# Altium PCB DC_DC_Buck_Controlled_PCB.PcbDoc (part 1 of 2) (continued)
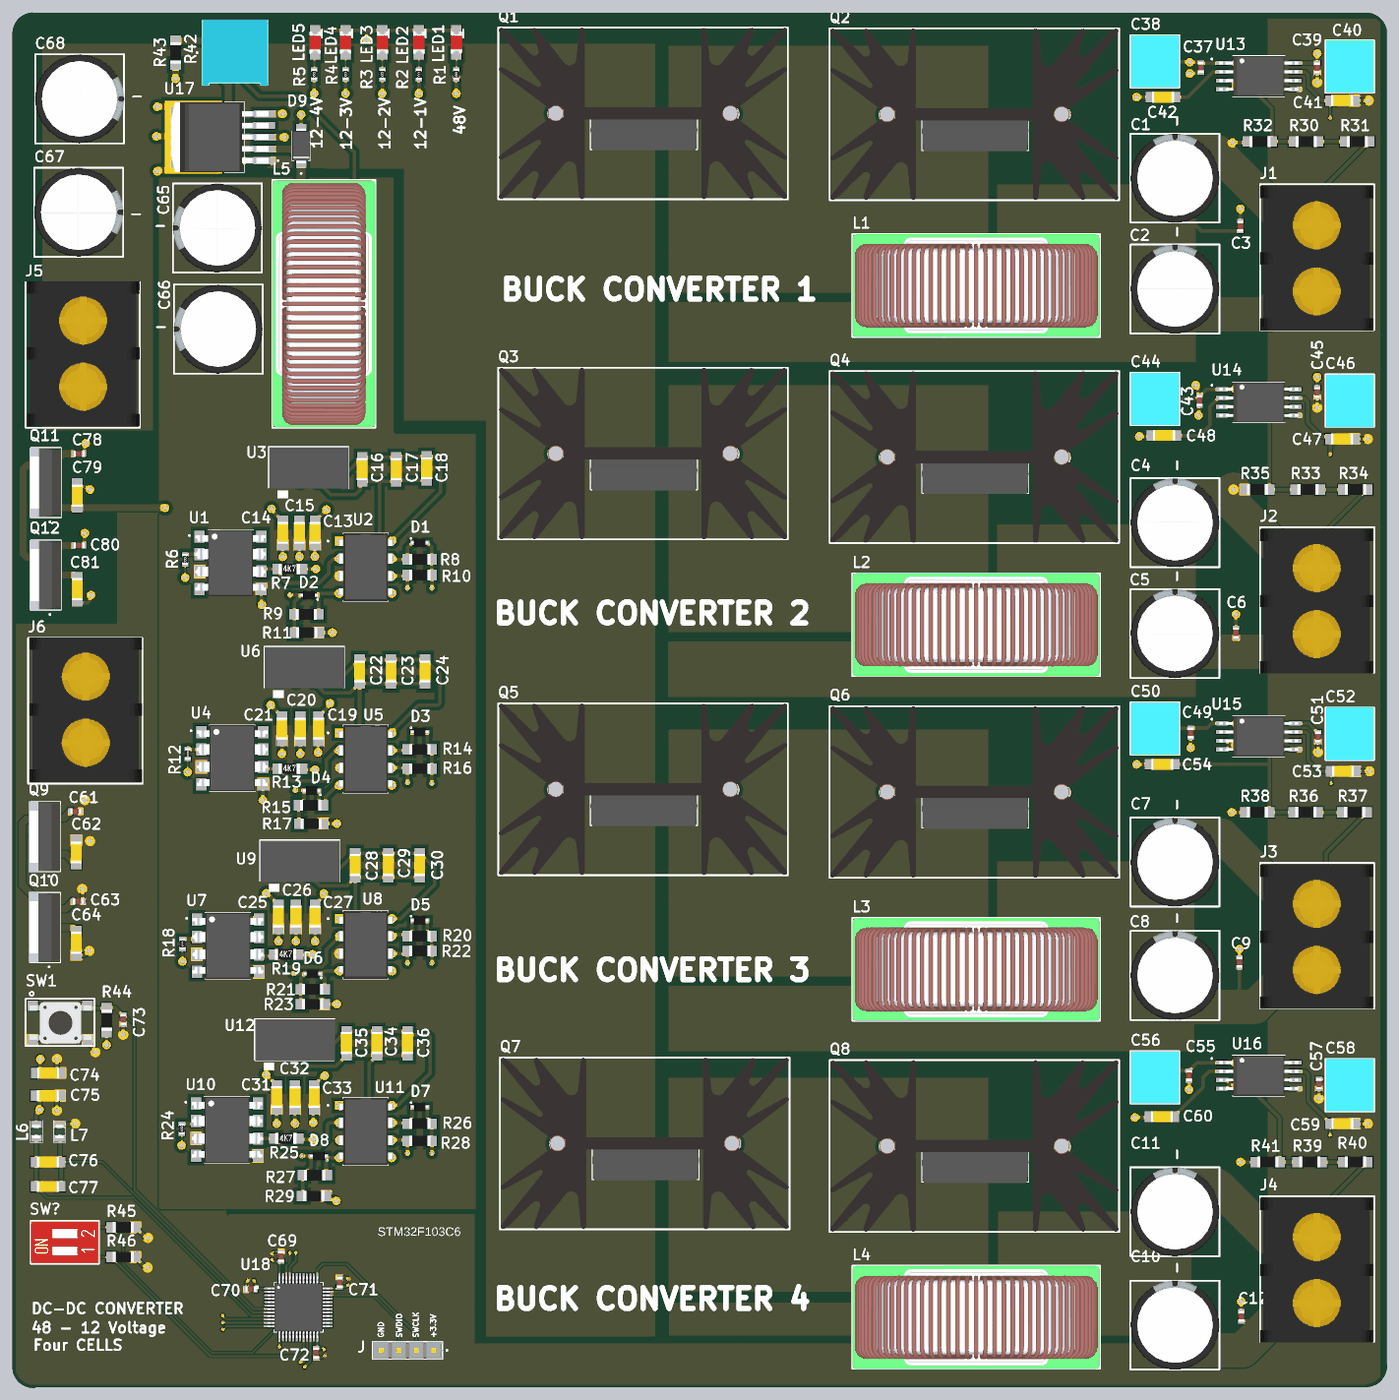
[diagram p5: 3D render of the assembled board from above, using the file's embedded part models]

## Layer stack, top to bottom
Top Solder: solder mask 0.4, Solder Resist, Dk 3.5
Top Layer: signal copper 1.4
Dielectric 2: prepreg 2.8, PP-006, Dk 4.1
Power: signal copper 1.378
Dielectric 1: dielectric 12.6, FR-4, Dk 4.8
GND: signal copper 1.378
Dielectric 3: prepreg 2.8, PP-006, Dk 4.1
Bottom Layer: signal copper 1.4
Bottom Solder: solder mask 0.4, Solder Resist, Dk 3.5

## Board outline
0,104.57 ccw(c120,115) 130.43,-5 ccw(c130,0) 135.01,-0.02 7770,-0.02 7770.51,0.01 ccw(c7760,120) 7880.45,120 ccw(c7760,120) 7879.85,131.99 7879.03,134.28 7879.03,7766.21 7879.69,7769.16 ccw(c7759.69,7758.73) 7750.76,7878.85 7749.4,7879.03 113.42,7879.03 110,7880 ccw(c120.43,7760) 0.42,7749.78

## Design rules (kind name [scope] priority, off if disabled: settings)
Clearance [All] p1: gap=5 ignorepadtopadclearanceinfootprint=FALSE
PolygonConnect PolygonConnect_2 [All] p1: connectstyle=Direct reliefconductorwidth=10 reliefentries=4 polygonreliefangle="90 Angle" airgapwidth=10
PolygonConnect PolygonConnect_1 [All vs IsNamedPolygon('12V_1_L01_P048') Or IsNamedPolygon('12V_2_L01_P049') Or IsNamedPolygon('12V_3_L01_P050') Or IsNamedPolygon('12V_4_L01_P051') Or IsNamedPolygon('+48_L01_P045') Or IsNamedPolygon('GND_L01_P002') Or IsNamedPolygon('V1-_L01_P026') Or IsNamedPolygon('V2-_L01_P033') Or IsNamedPolygon('V3-_L01_P037') Or IsNamedPolygon('V4-_L01_P039') Or IsNamedPolygon('+3.3_C_L02_P004') Or IsNamedPolygon('+3.3_L02_P056') Or IsNamedPolygon('+12_ISO_L02_P007') Or IsNamedPolygon('12V_1_L02_P052') Or IsNamedPolygon('12V_2_L02_P053') Or IsNamedPolygon('12V_3_L02_P054') Or IsNamedPolygon('12V_4_L02_P055') Or IsNamedPolygon('+15_L02_P046') Or IsNamedPolygon('+48_L02_P009') Or IsNamedPolygon('V1-_L02_P014') Or IsNamedPolygon('V2-_L02_P032') Or IsNamedPolygon('V3-_L02_P036') Or IsNamedPolygon('V4-_L02_P038') Or IsNamedPolygon('GND_C_L01_P044') Or IsNamedPolygon('GND_L01_P043') Or IsNamedPolygon('GND_C_L04_P042') Or IsNamedPolygon('GND_L04_P001')] p2: thpad.connectstyle=Direct thpad.reliefconductorwidth=10 thpad.reliefentries=4 thpad.polygonreliefangle="90 Angle" thpad.airgapwidth=10 smdpad.connectstyle=Relief smdpad.reliefconductorwidth=10 smdpad.reliefentries=4 smdpad.polygonreliefangle="90 Angle" smdpad.airgapwidth=10 via.connectstyle=Direct via.reliefconductorwidth=10 via.reliefentries=4 via.polygonreliefangle="90 Angle" via.airgapwidth=10
PolygonConnect [All] p3: connectstyle=Relief reliefconductorwidth=10 reliefentries=4 polygonreliefangle="90 Angle" airgapwidth=10
RoutingVias [All] p1: holewidth=28 width=50 viastyle="Through Hole" minholewidth=28 minwidth=50 maxholewidth=28 maxwidth=50
SolderMaskExpansion [All] p1: expansion=4 istentingtop=FALSE
UnpouredPolygon [All] p1: allowunpoured=TRUE allowshelved=TRUE
Width [All] p1: maxlimit=196.85 minlimit=10 preferedwidth=39.37 minimp=50.000000 maximp=50.000000 favimp=50.000000
29 further rules are at their usual default settings.

## Classes and differential pairs
component class STM_Controller: C69 C70 C71 C72 C73 C74 C75 C76 C77 J L6 L7 R44 R45 R46 SW1 SW? U18
component class Power_Supply: C61 C62 C63 C64 C65 C66 C67 C68 C78 C79 C80 C81 D9 J6 L5 Q9 Q10 Q11 Q12 R42 R43 U17
component class Power_Circuit: C1 C2 C3 C4 C5 C6 C7 C8 C9 C10 C11 C12 J1 J3 J4 J5 L1 L2 L3 L4 LED1 LED2 LED3 LED4 LED5 Q1 Q2 Q3 Q4 Q5 Q6 Q7 Q8 R1 R2 R3 R4 R5
component class Isolated_Voltage_Sensor: C37 C38 C39 C40 C41 C42 C43 C44 C45 C46 C47 C48 C49 C50 C51 C52 C53 C54 C55 C56 C57 C58 C59 C60 R30 R31 R32 R33 R34 R35 R36 R37 R38 R39 R40 R41 U13 U14 U15 U16
component class Gate_Drive: C13 C14 C15 C16 C17 C18 C19 C20 C21 C22 C23 C24 C25 C26 C27 C28 C29 C30 C31 C32 C33 C34 C35 C36 D1 D2 D3 D4 D5 D6 D7 D8 R6 R7 R8 R9 R10 R11 R12 R13 R14 R15 R16 R17 R18 R19 R20 R21 R22 R23 R24 R25 R26 R27 R28 R29 U1 U2 U3 U4 U5 U6 U7 U8 U9 U10 U11 U12

## Components (designator, comment, footprint, x,y, rotation, side; value= is the part's Value field where it differs from the comment)
C1 "330uf/100V" "CAPACITOR 330UF" 6660,6785 r90 top
C2 "330uf/100V" "CAPACITOR 330UF" 6660,6149.72 r90 top
C3 "C0603" C0603 7040,6655 r270 top
C4 "330uf/100V" "CAPACITOR 330UF" 6660,4810 r90 top
C5 "330uf/100V" "CAPACITOR 330UF" 6660,4174.72 r90 top
C6 "330uf/100V" C0603 7015,4323 r270 top
C7 "330uf/100V" "CAPACITOR 330UF" 6660,2865 r90 top
C8 "330uf/100V" "CAPACITOR 330UF" 6660,2214.72 r90 top
C9 "C0603" C0603 7035,2435 r270 top
C10 "330uf/100V" "CAPACITOR 330UF" 6660,210 r90 top
C11 "330uf/100V" "CAPACITOR 330UF" 6660,860 r90 top
C12 "C0603" C0603 7045,405 r270 top
C13 "10uf" C1206 1735,4827.2 r90 top
C14 "220nf" C1206 1550,4827.2 r90 top
C15 "2.2uf" C1206 1645,4827.2 r90 top
C16 "2.2uf" C1206 2005,5192.2 r90 top
C17 "10uf" C1206 2200,5192.2 r90 top
C18 "220nf" C1206 2375,5197.2 r90 top
C19 "10uf" C1206 1755,3705 r90 top
C20 "220nf" C1206 1650,3705 r90 top
C21 "2.2uf" C1206 1545,3705 r90 top
C22 "2.2uf" C1206 1990,4032.2 r90 top
C23 "10uf" C1206 2170,4032.2 r90 top
C24 "220nf" C1206 2365,4032.2 r90 top
C25 "10uf" C1206 1525,2627.2 r90 top
C26 "220nf" C1206 1625,2627.2 r90 top
C27 "2.2uf" C1206 1735,2627.2 r90 top
C28 "2.2uf" C1206 1965,2922.2 r90 top
C29 "10uf" C1206 2155,2922.2 r90 top
C30 "220nf" C1206 2335,2922.2 r90 top
C31 "10uf" C1206 1515,1592.2 r90 top
C32 "220nf" C1206 1620,1592.2 r90 top
C33 "2.2uf" C1206 1730,1592.2 r90 top
C34 "2.2uf" C1206 2090,1902.2 r90 top
C35 "10uf" C1206 1915,1902.2 r90 top
C36 "220nf" C1206 2265,1902.2 r90 top
C37 "100nf/50V" C0603 6815,7565 r90 top
C38 "1uf/60v" "Film Polyester Capacitor 5mm pitch" 6450,7600 r0 top
C39 "100nf/50V" C0603 7480,7563 r90 top
C40 "1uf/60v" "Film Polyester Capacitor 5mm pitch" 7766.85,7570 r180 top
C41 "330pf/50V" C1206 7692.8,7375 r180 top
C42 "100pf/50V" C1206 6527.2,7395 r0 top
C43 "100nf/50V" C0603 6805,5655 r90 top
C44 "1uf/60v" "Film Polyester Capacitor 5mm pitch" 6450,5665 r0 top
C45 "100nf/50V" C0603 7480,5702 r90 top
C46 "1uf/60v" "Film Polyester Capacitor 5mm pitch" 7566.85,5655 r0 top
C47 "330pf/50V" C1206 7692.8,5435 r180 top
C48 "100pf/50V" C1206 6532.2,5455 r0 top
C49 "100nf/50V" C0603 6755,3750 r90 top
C50 "1uf/60v" "Film Polyester Capacitor 5mm pitch" 6450,3775 r0 top
C51 "100nf/50V" C0603 7485,3727 r90 top
C52 "1uf/60v" "Film Polyester Capacitor 5mm pitch" 7766.85,3745 r180 top
C53 "330pf/50V" C1206 7697.8,3530 r180 top
C54 "100pf/50V" C1206 6522.2,3570 r0 top
C55 "100nf/50V" C0603 6745,1785 r90 top
C56 "1uf/60v" "Film Polyester Capacitor 5mm pitch" 6450,1775 r0 top
C57 "100nf/50V" C0603 7490,1738 r90 top
C58 "1uf/60v" "Film Polyester Capacitor 5mm pitch" 7766.85,1730 r180 top
C59 "330pf/50V" C1206 7695,1510 r180 top
C60 "100pf/50V" C1206 6520,1550 r0 top
C61 "100nF/50V" C0603 362,3300 r180 top
C62 "330nF/50V" C1206 366,3135 r270 top
C63 "100nF/50V" C0603 377,2785 r180 top
C64 "10uF 25V" C1206 366,2477.2 r90 top
C65 "330uF/100V" "CAPACITOR 330UF" 1320.28,6640 r180 top
C66 "330uF/100V" "CAPACITOR 330UF" 1325.28,6060 r180 top
C67 "330uF/100V" "CAPACITOR 330UF" 235,6740 r0 top
C68 "330uF/100V" "CAPACITOR 330UF" 240,7390 r0 top
C69 "100nF/50V" C0603 1540,748 r270 top
C70 "100nF/50V" C0603 1366.19,561.19 r0 top
C71 "100nF/50V" C0603 1875,600 r270 top
C72 "100nF/50V" C0603 1740,195 r90 top
C73 "100nf" C0603 635,2107 r90 top
C74 "1uF/50V" C1206 275,1800 r180 top
C75 "10nF/50V" C1206 272.8,1670 r180 top
C76 "10nF/50V" C1206 272.8,1290 r180 top
C77 "1uF/50V" C1206 272.8,1150 r180 top
C78 "100nF/50V" C0603 382,5350 r180 top
C79 "330nF/50V" C1206 371,5180 r270 top
C80 "100nF/50V" C0603 382,4825 r180 top
C81 "10uF 25V" C1206 371,4505 r90 top
D1 "1N4148WS" SOD323 2335,4840 r0 top
D2 "1N4148WS" SOD323 1700,4540 r180 top
D3 "1N4148WS" SOD323 2335,3755 r0 top
D4 "1N4148WS" SOD323 1715,3420 r180 top
D5 "1N4148WS" SOD323 2335,2675 r0 top
D6 "1N4148WS" SOD323 1720,2370 r180 top
D7 "1N4148WS" SOD323 2335,1605 r0 top
D8 "1N4148WS" SOD323 1755,1325 r180 top
D9 "RS1D" DIOM4330X250N 1655,7115 r90 top
J "Pinheaders 4 pins" SAMTEC_TSW-104-24-G-S 2415,210 r180 top
J1 "Terminals" "Barrier Terminal Block 2 Pin" 7326.85,6285 r90 top
J2 "Terminals" "Barrier Terminal Block 2 Pin" 7326.85,4320 r90 top
J3 "Terminals" "Barrier Terminal Block 2 Pin" 7326.85,2395 r90 top
J4 "Terminals" "Barrier Terminal Block 2 Pin" 7326.85,485 r90 top
J5 "Terminals" "Barrier Terminal Block 2 Pin" 555,6110 r270 top
J6 "Terminals" "Barrier Terminal Block 2 Pin" 570,4069.02 r270 top
L1 "Custmized Power Inductor" "Power Inductor" 5515,6330 r0 top
L2 "Custmized Power Inductor" "Power Inductor" 5515,4385 r0 top
L3 "Custmized Power Inductor" "Power Inductor" 5515,2410 r0 top
L4 "Custmized Power Inductor" "Power Inductor" 5515,415 r0 top
L5 "Custmized Power Inductor" "Power Inductor" 1770,6200 r90 top
L6 "10uH" "inductor 0805" 136.98,1505 r270 top
L7 "10uH" "inductor 0805" 270,1505 r270 top
LED1 "LED 1206" "LED 1206" 2545,7777.8 r270 top
LED2 "LED 1206" "LED 1206" 2330,7777.8 r270 top
LED3 "LED 1206" "LED 1206" 2120,7777.8 r270 top
LED4 "LED 1206" "LED 1206" 1910,7777.8 r270 top
LED5 "LED 1206" "LED 1206" 1735,7777.8 r270 top
Q1 "IRFP150N" TO-247AC 3620.04,7188.96 r0 top
Q2 "IRFP150N" TO-247AC 5520,7183.96 r0 top
Q3 "IRFP150N" TO-247AC 3620.04,5238.96 r0 top
Q4 "IRFP150N" TO-247AC 5520,5218.96 r0 top
Q5 "IRFP150N" TO-247AC 3620.04,3313.96 r0 top
Q6 "IRFP150N" TO-247AC 5520,3298.96 r0 top
Q7 "IRFP150N" TO-247AC 3629.96,1283.96 r0 top
Q8 "IRFP150N" TO-247AC 5520,1268.96 r0 top
Q9 "7805" TO-220 210,3155.39 r90 top
Q10 "LD1117AV33" TO-220 210,2634.61 r90 top
Q11 "7805" TO-220 215,5185 r90 top
Q12 "LD1117AV33" TO-220 215,4655 r90 top
R1 "3K3" R0603 2545,7525 r270 top
R2 "1K" R0603 2330,7525 r270 top
R3 "1K" R0603 2120,7525 r270 top
R4 "1K" R0603 1910,7525 r270 top
R5 "1K" R0603 1730,7525 r270 top
R6 "330" R0603 990,4745 r90 top
R7 "4K7" R1206_4K7 1522.2,4690 r0 top
R8 "22" R1206 2266.1,4745 r0 top
R9 "22" R1206 1755,4430 r180 top
R10 "10K" R1206 2266.1,4655 r0 top
R11 "10K" R1206 1757.8,4325 r180 top
R12 "330" R0603 1005,3630 r90 top
R13 "4K7" R1206_4K7 1522.2,3545 r0 top
R14 "22" R1206 2266.1,3655 r0 top
R15 "22" R1206 1780,3335 r180 top
R16 "10K" R1206 2266.1,3545 r0 top
R17 "10K" R1206 1782.8,3230 r180 top
R18 "330" R0603 975,2540 r90 top
R19 "4K7" R1206_4K7 1500,2480 r0 top
R20 "22" R1206 2266.1,2585 r0 top
R21 "22" R1206 1790,2280 r180 top
R22 "10K" R1206 2266.1,2500 r0 top
R23 "10K" R1206 1790,2195 r180 top
R24 "330" R0603 970,1480 r90 top
R25 "4K7" R1206_4K7 1502.2,1425 r0 top
R26 "22" R1206 2266.1,1510 r0 top
R27 "22" R1206 1802.8,1215 r180 top
R28 "10K" R1206 2266.1,1410 r0 top
R29 "10K" R1206 1797.8,1095 r180 top
R30 "300K/1%" R1206 7347.2,7140 r0 top
R31 "300K/1%" R1206 7640.06,7140 r0 top
R32 "10K/1%" R1206 7082.2,7140 r0 top
R33 "300K/1%" R1206 7357.2,5145 r0 top
R34 "300K/1%" R1206 7630,5145 r0 top
R35 "10K/1%" R1206 7067.2,5145 r0 top
R36 "300K/1%" R1206 7345,3295 r0 top
R37 "300K/1%" R1206 7625.06,3295 r0 top
R38 "10K/1%" R1206 7067.2,3295 r0 top
R39 "300K/1%" R1206 7367.2,1290 r0 top
R40 "300K/1%" R1206 7630.06,1290 r0 top
R41 "10K/1%" R1206 7127.2,1290 r0 top
R42 "3386P-1-101T" TRIM_3386P-1-101T 1275,7650 r0 top
R43 "Res 1206" R1206 935,7717.8 r270 top
R44 "Res 1206" R1206 540,2172.8 r270 top
R45 "10K" R1206 705,915 r180 top
R46 "10K" R1206 705,745 r180 top
SW1 "Momentary Tactile Tact Push Button Switch 4 Pin" "Momentary Tactile Tact Push Button" 115.71,1990 r0 top
SW? "418117170902" DIP_SW_2P 300,830 r90 top
U1 "6N136" "8-Pin DIP â€“ Land Pattern" 1250,4725 r0 top
U2 "IR2111" "8-Lead PDIP" 2025,4700 r0 top
U3 "B1515S" B1515S 1700,5300 r0 top
U4 "6N136" "8-Pin DIP â€“ Land Pattern" 1260,3605 r0 top
U5 "IR2111" "8-Lead PDIP" 2025,3600 r0 top
U6 "B1515S" B1515S 1675,4155 r0 top
U7 "6N136" "8-Pin DIP â€“ Land Pattern" 1235,2530 r0 top
U8 "IR2111" "8-Lead PDIP" 2025,2535 r0 top
U9 "B1515S" B1515S 1650,3045 r0 top
U10 "6N136" "8-Pin DIP â€“ Land Pattern" 1230,1475 r0 top
U11 "IR2111" "8-Lead PDIP" 2025,1465 r0 top
U12 "B1515S" B1515S 1620,2020 r0 top
U13 "AMC1311" "SOIC - 2.8 mm max height" 7145,7515 r0 top
U14 "AMC1311" "SOIC - 2.8 mm max height" 7145.16,5645 r0 top
U15 "AMC1311" "SOIC - 2.8 mm max height" 7145,3730 r0 top
U16 "AMC1311" "SOIC - 2.8 mm max height" 7145,1785 r0 top
U17 "LM2596HVS" TO263 1190,7165 r180 top
U18 "STM32F103C8T6" QFP50P900X900X160-48N 1639.57,456.73 r0 top

## Footprints (in the part's own frame and the unit in brackets; to place one, negate y for a bottom-side part, rotate by r counter-clockwise, add the part's x,y. Pads: shape width x height; smd on the part's side, far side on the other; paste and mask are expansions set on the pad)
"8-Lead PDIP" [mm]
  rect 1.338x1.338 / inner round 1.338 / far side rect 1.338x1.338 hole 0.83: 1(-3.81,3.81)
  round 1.338 hole 0.83: 2(-3.81,1.27) 3(-3.81,-1.27) 4(-3.81,-3.81) 5(3.81,-3.81) 6(3.81,-1.27) 7(3.81,1.27) 8(3.81,3.81)
  silkscreen extent -5.58,-4.94 3.3,4.94, body extent -3.96,-4.94 3.96,4.94, height 5.33
"8-Pin DIP â€“ Land Pattern" [mm]
  rect 1.52x1.78 smd: 1(-4.505,3.81) 2(-4.505,1.27) 3(-4.505,-1.27) 4(-4.505,-3.81) 5(4.505,-3.81) 6(4.505,-1.27) 7(4.505,1.27) 8(4.505,3.81)
  silkscreen extent -6.1,-4.83 3.3,4.83, body extent -5.15,-4.83 5.15,4.83, height 5.08
B1515S [mm]
  round 1.5 hole 0.7: 1(-3.81,-2.794) 1(-3.81,-2.794) 2(-1.27,-2.794) 3(1.27,-2.794) 4(3.81,-2.794)
  rect 1.5x1.5 hole 0.7: 1(-3.81,-2.794)
  silkscreen extent -5.84,-5.21 5.71,2.29, body extent -5.8,-3.77 5.8,2.22, height 10
"Barrier Terminal Block 2 Pin" [mm]
  oval 2.5x2.54 hole 1.5: 1(0,0)
  round 2.5 hole 1.5: 2(9.5,0)
  silkscreen extent -5.71,-12.19 15.49,4.45, body extent -5.81,-12.06 15.24,4.44, height 18.5
C0603 [mil]
  rect 26x37 smd: 1(-28,0) 2(28,0)
  body extent -31,-16 31,16, height 37
C1206 [mil]
  rect 60x60 smd: 1(0,0) 2(137.8,0)
  body extent 7,-31 133,31, height 39
"CAPACITOR 330UF" [mil]
  round 60 hole 30: 1(0,0) 2(295.28,0)
  silkscreen extent -110,-260 400,250, body extent -111,-261 401,251, height 1024
DIOM4330X250N [mm]
  rect 2.09x1.5 smd: A(2.13,0) C(-2.13,0)
  silkscreen extent -4.1,-1.28 2.16,1.28, body extent -2.57,-1.28 2.57,1.28, height 2.5
DIP_SW_2P [mm] "2.54 mm compact THT with flat actuator, 2p"
  round 1.3 hole 0.8: 1(-1.27,-3.81) 2(1.27,-3.81) 3(1.27,3.81) 4(-1.27,3.81)
  silkscreen extent -3.14,-5 3.14,5, body extent -3.04,-4.95 3.04,4.95, height 5.75
"Film Polyester Capacitor 5mm pitch" [mil]
  round 60 hole 30: 1(0,0) 2(196.85,0)
  silkscreen extent -40,-150 240,150, body extent -38,-150 238,150, height 492
"inductor 0805" [mm]
  rect 1x1.524 smd: 1(0,0) 2(2,0)
  silkscreen extent -0.64,-0.89 2.62,0.89, body extent 0.02,-0.63 2.02,0.63, height 0.61
"LED 1206" [mil]
  rect 60x60 smd: 1(0,0) 2(137.8,0)
  body extent 6,-32 134,33, height 35
"Momentary Tactile Tact Push Button" [mil]
  rect 60x60 smd: 1(0,196.85) 2(314.96,196.85) 3(0,0) 4(314.96,0)
  silkscreen extent -40,-35 355,276, body extent -17,-20 337,216, height 203
"Power Inductor" [mm]
  round 2.5 hole 1.5: 1(0.127,5.334) 2(0.254,-6.096)
  silkscreen extent -17.78,-7.87 18.29,7.11, body extent -17.75,-7.89 18.25,7.11, height 37.7
QFP50P900X900X160-48N [mm]
  rrect50% 1.56x0.28 smd: 1(-4.18,2.75) 2(-4.18,2.25) 3(-4.18,1.75) 4(-4.18,1.25) 5(-4.18,0.75) 6(-4.18,0.25) 7(-4.18,-0.25) 8(-4.18,-0.75) 9(-4.18,-1.25) 10(-4.18,-1.75) 11(-4.18,-2.25) 12(-4.18,-2.75) 25(4.18,-2.75) 26(4.18,-2.25) 27(4.18,-1.75) 28(4.18,-1.25) 29(4.18,-0.75) 30(4.18,-0.25) 31(4.18,0.25) 32(4.18,0.75) 33(4.18,1.25) 34(4.18,1.75) 35(4.18,2.25) 36(4.18,2.75)
  rrect50% 0.28x1.56 smd: 13(-2.75,-4.18) 14(-2.25,-4.18) 15(-1.75,-4.18) 16(-1.25,-4.18) 17(-0.75,-4.18) 18(-0.25,-4.18) 19(0.25,-4.18) 20(0.75,-4.18) 21(1.25,-4.18) 22(1.75,-4.18) 23(2.25,-4.18) 24(2.75,-4.18) 37(2.75,4.18) 38(2.25,4.18) 39(1.75,4.18) 40(1.25,4.18) 41(0.75,4.18) 42(0.25,4.18) 43(-0.25,4.18) 44(-0.75,4.18) 45(-1.25,4.18) 46(-1.75,4.18) 47(-2.25,4.18) 48(-2.75,4.18)
  silkscreen extent -6.15,-3.6 3.6,3.6, body extent -4.5,-4.5 4.5,4.5, height 1.6
R0603 [mil]
  rect 26x37 smd: 1(-28,0) 2(28,0)
  body extent -31,-16 31,16, height 18
R1206 [mil]
  rect 60x60 smd: 1(0,0) 2(137.8,0)
  body extent 9,-30 131,31, height 22
R1206_4K7 [mil]
  rect 60x60 smd: 1(0,0) 2(137.8,0)
  body extent 4,-30 126,31, height 23
SAMTEC_TSW-104-24-G-S [mm]
  rect 1.37x1.37 hole 1.02: 01(0,0)
  round 1.37 hole 1.02: 02(2.54,0) 03(5.08,0) 04(7.62,0)
  silkscreen extent -2.02,-1.27 8.89,1.27, body extent -1.4,-1.27 8.89,1.27, height 9.27
SOD323 [mm]
  rect 0.6x0.6 smd: A(1.1,0) C(-1.1,0)
  silkscreen extent -1.4,-0.4 0.1,0.76, body extent -1.25,-0.62 1.25,0.64, height 1
"SOIC - 2.8 mm max height" [mm]
  rrect25% 1.8x0.6 smd: 1(-5.33,1.905) 2(-5.33,0.635) 3(-5.33,-0.635) 4(-5.33,-1.905) 5(5.33,-1.905) 6(5.33,-0.635) 7(5.33,0.635) 8(5.33,1.905)
  silkscreen extent -6.93,-2.98 3.8,2.98, body extent -5.75,-2.93 5.75,2.93, height 2.8
TO263 [mm]
  rect 3.05x1.016 smd: 1(-6.485,3.404) 2(-6.485,1.702) 3(-6.485,0) 4(-6.485,-1.702) 5(-6.485,-3.404)
  rect 8.38x10.66 smd paste-6: 6(3.82,0)
  silkscreen extent -8.56,-5.12 -0.69,5.12, body extent -7.1,-5.07 7.1,5.07, height 4.57
TO-220 [mm]
  rect 1.905x1.905 / inner round 1.905 / far side rect 1.905x1.905 hole 1.27: 1(-2.55,0)
  round 1.905 hole 1.27: 2(0,0) 3(2.55,0)
  silkscreen extent -5.85,-1.65 5.1,2.86, body extent -5.1,-1.64 5.1,2.86, height 19.68
TO-247AC [mm]
  round 2.5 hole 2.5: 0(12.7,2.794) 4(-12.827,2.794)
  rect 2.715x2.715 / inner round 2.715 / far side rect 2.715x2.715 hole 1.81: 1(-5.46,0.026)
  round 2.715 hole 1.81: 2(0,0.026) 3(5.46,0.026)
  silkscreen extent -21.21,-9.65 20.95,15.37, body extent -21.13,-9.63 20.87,15.37, height 25.4
TRIM_3386P-1-101T [mm]
  rect 1.268x1.268 / inner round 1.268 / far side rect 1.268x1.268 hole 0.76: 1(-2.54,-0.015)
  round 1.268 hole 0.76: 2(0,-2.555) 3(2.54,-0.015)
  silkscreen extent -5.61,-4.76 4.76,4.76, body extent -4.76,-4.76 4.76,4.76, height 10.92

## Part data
C1 C2 C4 C5 C7 C8 C10 C11 C65 C66 C67 C68: library part "Cap 330uf", "Cap 330uf 50V", Capacitance=330uf, Voltage=50V, ComponentLink1Description="Buy from Makers", ComponentLink1URL=https://makerselectronics.com/product/capacitor-330uf-50v-1017mm
C6 C37 C39 C43 C45 C49 C51 C55 C57 C61 C63 C69 C70 C71 C72 C73 C78 C80: library part C0603
C13 C17 C19 C23 C25 C29 C31 C35: library part "Cap 1206", "Ceramic Capacitor SMD 1206", Voltage=25V, Capacitance=10uf, ComponentLink1Description="Buy from Makers", ComponentLink1URL=https://makerselectronics.com/product/multilayer-ceramic-capacitors-mlcc-smd-smt-10uf-25v-x5r-%c2%b110-1206, ComponentLink2Description=Datasheet, ComponentLink2URL=https://www.lcsc.com/datasheet/lcsc_datasheet_2304140030_Samsung-Electro-Mechanics-CL31A106KAHNNNE_C9807.pdf
C14 C15 C16 C18 C20 C21 C22 C24 C26 C27 C28 C30 C32 C33 C34 C36: library part "Cap 1206", "Ceramic Capacitor SMD 1206", Voltage=50V, ComponentLink1Description="Buy from Makers", ComponentLink2Description=Datasheet
  C14 C18 C20 C24 C26 C30 C32 C36: Capacitance=220nf, ComponentLink1URL=https://makerselectronics.com/product/multilayer-ceramic-capacitors-mlcc-smd-smt-220nf-%c2%b110-50v-1206, ComponentLink2URL=https://www.lcsc.com/datasheet/lcsc_datasheet_2304140030_Samsung-Electro-Mechanics-CL31A106KAHNNNE_C9807.pdf
  C15 C16 C21 C22 C27 C28 C33 C34: Capacitance=2.2uf, ComponentLink1URL=https://makerselectronics.com/product/multilayer-ceramic-capacitors-mlcc-smd-smt-2-2uf-%c2%b110-50v-1206, ComponentLink2URL=https://www.lcsc.com/datasheet/lcsc_datasheet_1811072012_Samsung-Electro-Mechanics-CL31B225KBHNNNE_C50254.pdf
C38 C40 C44 C46 C50 C52 C56 C58: library part "Film Polyester Capacitor", ComponentLink1Description="Buy from Makers", ComponentLink1URL=https://makerselectronics.com/product/film-polyester-capacitor-1uf-63v
C41 C42 C47 C48 C53 C54 C59 C60 C62 C64 C79 C81: library part "Cap 1206", "Ceramic Capacitor SMD 1206"
  C42 C48 C54 C60: ComponentLink1Description="Buy from Makers", ComponentLink1URL=https://makerselectronics.com/product/multilayer-ceramic-capacitors-mlcc-smd-smt-100pf-%c2%b15-50v-1206
  C62 C79: ComponentLink1Description="Buy from Makers", ComponentLink1URL=https://makerselectronics.com/product/multilayer-ceramic-capacitors-mlcc-smd-smt-330nf-%c2%b110-50v-1206
  C64 C81: ComponentLink1Description="Buy from Makers", ComponentLink1URL=https://makerselectronics.com/product/multilayer-ceramic-capacitors-mlcc-smd-smt-10uf-25v-x5r-%c2%b110-1206
C74 C77: library part "Cap 1206", "Ceramic Capacitor SMD 1206", Capacitance=1uf, Voltage=50V, ComponentLink1Description="Buy from Makers", ComponentLink1URL=https://makerselectronics.com/product/multilayer-ceramic-capacitors-mlcc-smd-smt-1uf-%c2%b110-50v-x7r-1206
C75 C76: library part "Cap 1206", "Ceramic Capacitor SMD 1206", Capacitance=10nF, Voltage=50V, ComponentLink1Description="Buy from Makers", ComponentLink1URL=https://makerselectronics.com/product/multilayer-ceramic-capacitors-mlcc-smd-smt-10nf-%c2%b110-50v-1206
D1 D2 D3 D4 D5 D6 D7 D8: "Small Signal Diode, SOD-323F, 100V, 0.15A, 150Â°C", Package="SOD-323F Diotec", Check_prices=https://www.snapeda.com/parts/1N4148WS/Diotec/view-part/?ref=eda, ComponentLink1Description="Buy from Makers", ComponentLink1URL=https://makerselectronics.com/product/smd-switching-diode-1n4148ws-75v-300ma-1-25v-150ma-8ns-sod-323, ComponentLink2Description=Datasheet, ComponentLink2URL=https://www.lcsc.com/datasheet/lcsc_datasheet_1809141512_Shandong-Jingdao-Microelectronics-1N4148WS_C108805.pdf, MF="Diotec Semiconductor", MP=1N4148WS, SnapEDA_Link=https://www.snapeda.com/parts/1N4148WS/Diotec/view-part/?ref=snap
D9: "1A, 50V - 1000V Fast Surface Mount Rectifier", Package="DO-214AC-2 Taiwan Semiconductor", Availability="In Stock", Check_prices=https://www.snapeda.com/parts/RS1D/Taiwan+Semiconductor/view-part/?ref=eda, ComponentLink1Description="Buy from Mouser", ComponentLink1URL=https://eu.mouser.com/ProductDetail/Vishay-General-Semiconductor/SSA33LHE3_A-H?qs=asPD7ZL2j3W%252BZAXlcypYXg%3D%3D, MF="Taiwan Semiconductor", MP=RS1D, Price=None, Purchase-URL=https://pricing.snapeda.com/search/part/RS1D/?ref=eda, SnapEDA_Link=https://www.snapeda.com/parts/RS1D/Taiwan+Semiconductor/view-part/?ref=snap
J: "Connector Header Through Hole 4 position 0.100 (2.54mm)", Package=None, Availability=Unavailable, MF=Samtec, MP=TSW-104-24-G-S, Price=None, SnapEDA_Link=https://www.snapeda.com/parts/TSW-104-24-G-S/Samtec/view-part/3451889/?ref=snap
J1 J2 J3 J4 J6: library part "Barrier Terminal Block 2 Pin", "Barrier Terminal Block 2 Pin with Cover 300V/30A 9.5mm Pitch HB9500SS", Rated Current=30A, Rated Voltage=300V, ComponentLink1Description="Buy from Makers", ComponentLink1URL=https://makerselectronics.com/product/barrier-terminal-block-2-pin-with-cover-300v-30a-9-5mm-pitch-hb9500ss, ComponentLink2Description="Buy from LCSC", ComponentLink2URL=https://eu.mouser.com/ProductDetail/Amphenol-Anytek/YK4420203000G?qs=Mv7BduZupUhWuK2fy7CpzA%3D%3D
J5: library part "Barrier Terminal Block 2 Pin_1_For_Power", "Barrier Terminal Block 2 Pin with Cover 300V/30A 9.5mm Pitch HB9500SS", Rated Current=30A, Rated Voltage=300V, ComponentLink1Description="Buy from Makers", ComponentLink1URL=https://makerselectronics.com/product/barrier-terminal-block-2-pin-with-cover-300v-30a-9-5mm-pitch-hb9500ss, ComponentLink2Description="Buy from LCSC", ComponentLink2URL=https://eu.mouser.com/ProductDetail/Amphenol-Anytek/YK4420203000G?qs=Mv7BduZupUhWuK2fy7CpzA%3D%3D
L1 L2 L3 L4 L5: library part "Power Inductor"
L6 L7: library part "Inductor 0805", "inductor", Current=15mA, Inductance=10uF, ComponentLink1Description="Buy from Makers", ComponentLink1URL=https://makerselectronics.com/product/smd-inductors-10uh-%c2%b110-15ma-1-1%cf%89-0805
LED1 LED2 LED3 LED4 LED5: "LED SMD 1206 Warm White", Max current=20mA, ComponentLink1Description=Datasheet, ComponentLink1URL=https://www.tme.eu/Document/26c055f7afcd0593b9cfa7487a98dbf8/FYLS-1206UYC.pdf, ComponentLink2Description="Buy from Makers", ComponentLink2URL=https://makerselectronics.com/product/led-smd-1206-warm-white
Q1 Q2 Q3 Q4 Q5 Q6 Q7 Q8: "IRFP150N N-Channel Power MOSFET (42A-100V-0.036Ohm) TO-247", ComponentLink1Description=Datasheet, ComponentLink1URL=https://makerselectronics.com/wp-content/uploads/2022/07/Infineon-IRFP150N-DataSheet-v01_01-EN.pdf, ComponentLink2Description="Buy from Makers", ComponentLink2URL=https://makerselectronics.com/product/irfp150n-n-channel-power-mosfet-42a-100v-0-036ohm-to-247, ComponentLink3Description="Buy from Mouser", ComponentLink3URL=https://eu.mouser.com/ProductDetail/Infineon-Technologies/IRFP150NPBF?qs=9%252BKlkBgLFf2JydewMZe%2Fng%3D%3D, IDS=40A, VDS=100V, VGS=15V
Q9 Q11: "Positive Voltage Regulator 5V-7805"
Q10 Q12: "LDO convert 5V to 3.3V", Max current=1A, ComponentLink1Description="Buy from Makers", ComponentLink1URL=https://makerselectronics.com/product/ld1117av33-1a-fixed-3-3v-positive-15v-to-220-linear-voltage-regulators-ldo, Vout=3.3V
R1 R2 R3 R4 R5 R6 R12 R18 R24: library part RES, "SMD Resistor 0603"
R7 R13 R19 R25: library part "Res 4K7 .25W", "Chip Resistor SMD 4.7KΩ ±5% 250mW 1206", Power=.25W, Withstand Voltage=200V, ComponentLink1Description=Datasheet, ComponentLink1URL=https://www.lcsc.com/datasheet/lcsc_datasheet_2308241947_FOJAN-FRC1206J472-TS_C2907499.pdf, ComponentLink2Description="Buy from Makers", ComponentLink2URL=https://www.lcsc.com/datasheet/lcsc_datasheet_2308241947_FOJAN-FRC1206J472-TS_C2907499.pdf, Resiatance=4K7
R8 R9 R10 R11 R14 R15 R16 R17 R20 R21 R22 R23 R26 R27 R28 R29 R30 R31 R32 R33 R34 R35 R36 R37 R38 R39 R40 R41 R45 R46: library part "Res 1206", "Chip Resistor SMD 250mW 1206", Power=.25W, Withstand Voltage=200V, ComponentLink1Description=Datasheet, ComponentLink1URL=https://www.lcsc.com/datasheet/lcsc_datasheet_2308241947_FOJAN-FRC1206J472-TS_C2907499.pdf, ComponentLink2Description="Buy from Makers", Resiatance=4K7
  R8 R9 R14 R15 R20 R21 R26 R27: ComponentLink2URL=https://makerselectronics.com/product/chip-resistor-smd-22%cf%89-%c2%b15-250mw-1206
  R10 R11 R16 R17 R22 R23 R28 R29 R32 R35 R38 R41: ComponentLink2URL=https://makerselectronics.com/product/chip-resistor-smd-10k%cf%89-%c2%b11-250mw-1206
  R30 R31 R33 R34 R36 R37 R39 R40: ComponentLink2URL=https://makerselectronics.com/product/chip-resistor-smd-300k%cf%89-%c2%b11-250mw-1206
  R45 R46: ComponentLink2URL=https://www.lcsc.com/datasheet/lcsc_datasheet_2308241947_FOJAN-FRC1206J472-TS_C2907499.pdf
R42: "100 Ohms 0.5W, 1/2W PC Pins Through Hole Trimmer Potentiometer Cermet 1.0 Turn Top Finger Adjustment", Package="NON-STANDARD-3 Bourns", Availability="In Stock", Check_prices=https://www.snapeda.com/parts/3386P-1-101T/Bourns/view-part/?ref=eda, MF=Bourns, MP=3386P-1-101T, Price=None, Purchase-URL=https://pricing.snapeda.com/search/part/3386P-1-101T/?ref=eda, SnapEDA_Link=https://www.snapeda.com/parts/3386P-1-101T/Bourns/view-part/?ref=snap
R43 R44: "Chip Resistor SMD 250mW 1206", Power=.25W, Withstand Voltage=200V, ComponentLink1Description=Datasheet, ComponentLink1URL=https://www.lcsc.com/datasheet/lcsc_datasheet_2308241947_FOJAN-FRC1206J472-TS_C2907499.pdf, ComponentLink2Description="Buy from Makers", ComponentLink2URL=https://www.lcsc.com/datasheet/lcsc_datasheet_2308241947_FOJAN-FRC1206J472-TS_C2907499.pdf, Resiatance=4K7
SW1: "SMD push button", ComponentLink1Description="Buy from Makers", ComponentLink1URL=https://makerselectronics.com/product/momentary-tactile-tact-push-button-switch-4-pin-smd-665mm
SW?: library part DIP_SW_2P, "WS-DITV Compact THT Dip Switch, Flat Actuator, pitch 2.54mm, 2p", Manufacturer="Wurth Elektronik", Operating Temperature Max=85°C, Operating Temperature Min=-40°C, Rated Current Non-Switching=100mA, Rated Current Switching=25mA, Rated Voltage Non-Switching=50VDC, Rated Voltage Switching=24VDC, Actuator Type="Flat Type", Category="Dip Switches", ComponentLink1Description="Website Link", ComponentLink1URL=https://www.we-online.com/redexpert/article/418117170902?ad, ComponentLink2Description="Datasheet Link", ComponentLink2URL=https://www.we-online.com/redexpert/spec/418117170902?ad, Contact Material="Copper Alloy", Contact Plating=Gold, Manufacturer Part Number=418117170902, Match Code=WS-DITV, Mount="Through Hole", Number of Poles=2, Operation Force=800g, Packaging=Tube, Pitch=2.54mm
U1 U4 U7 U10: "6N136SDM SMD IC 1Mbit/s 0.8us 10kV/us DC SOP-8-2.54mm Optocouplers – Logic Output", ComponentLink1Description=Datasheet, ComponentLink1URL=https://www.lcsc.com/datasheet/lcsc_datasheet_1809111721_onsemi-6N136SDM_C24402.pdf, ComponentLink2Description="Buy from Makers", ComponentLink2URL=https://makerselectronics.com/product/6n136sdm-smd-ic-1mbit-s-0-8us-10kv-us-dc-sop-8-2-54mm-optocouplers-logic-output
U2 U5 U8 U11: "The IR2111(S) is a high voltage, high speed power MOSFET and IGBT driver with dependent high and low side referenced output channels designed for halfbridge applications. Proprietary HVIC and latch immune CMOS technologies enable ruggedized monolithic construction. Logic input is compatible with standard CMOS outputs. The output drivers feature a high pulse current buffer stage designed for minimum driver cross-conduction. Internal deadtime is provided to avoid shoot-through in the output half-bridge. The floating channel can be used to drive an N-channel power MOSFET or IGBT in the high side configuration which operates up to 600 volts.", ComponentLink1Description=Datasheet, ComponentLink1URL=https://u.pcloud.link/publink/show?code=XZYOC00ZqPE5WxDssxkJ3TcPuyzdl0Q82oY7, ComponentLink2Description="Buy from RAM electronics", ComponentLink2URL=https://www.ram-e-shop.com/shop/ir2111-ir2111-6845?search=ir2111&order=name+asc
U3 U6 U9 U12: "SIP,11.5x6.1mm Isolated Power Modules ROHS", Power=1W, ComponentLink1Description=Datasheet, ComponentLink1URL=https://www.lcsc.com/datasheet/lcsc_datasheet_2401241106_LZTEC-B1515S-1W_C20613026.pdf, ComponentLink2Description="Buy from LCSC", ComponentLink2URL=https://www.lcsc.com/product-detail/Isolated-Power-Modules_LZTEC-B1515S-1W_C20613026.html, Irated=67mA, Vin=15V, Vout=15V
U13 U14 U15 U16: "he AMC1311 is a precision, isolated amplifier with an output separated from the input circuitry by a capacitive isolation barrier that is highly resistant to magnetic interference. This barrier is certified to provide reinforced galvanic isolation of up to 5 kVRMS according to DIN EN IEC 60747-17 (VDE 0884-17) and UL1577 and supports a working voltage of up to 1500 VRMS.", ComponentLink1Description=Datasheet, ComponentLink1URL=https://www.ti.com/lit/ds/symlink/amc1311.pdf?ts=1724001025882&ref_url=https%253A%252F%252Fwww.ti.com%252Fproduct%252FAMC1311%253Fbm-verify%253DAAQAAAAJ_____yAPyp9ZXs_Vfv_hWDamb3MFNutEw6ZgK_-Ba4GfV-7UB-YxylZpr2lohk0acELVUvY4vX5Zn2Izu6IHAh6E_7j7oGoOE1JHRf9L6vXiUzGNhcaJWqCZXFr2Nndxcr5oO7y53ltPkAo4pXe5KFZEj-pxPiYTq46lTg356XKzoEw_VFNK5GYWFIarF4Af7rOXMHezu5XNeZ7PvJBG7yYmhChOG5zieBWZVDcGeEWOg03k9DyiGWa0XXAc8-zNN9cDyXVRM9tOrWPcSmnM45A9__hezMViXgG9Hn6CLT24KS2pLNWR--ah7Te1jI-cH5uo
U17: "LM2596HVS-3.3 TO263 3A Adjustable DC/DC STEP DOWN CONVERTER Regulator IC SMD", ComponentLink1Description=Datasheet, ComponentLink1URL=https://mm.digikey.com/Volume0/opasdata/d220001/medias/docus/2577/UMW%20LM2596_HV.pdf, ComponentLink2Description=Buy, ComponentLink2URL=https://uge-one.com/product/lm2596hvs-3-3-to263-3a-adjustable-dc-dc-step-down-converter-regulator-ic-smd/, Imax=3A, Vin=60V, Vout=ADJ
U18: "ARM® Cortex®-M3 STM32F1 Microcontroller IC 32-Bit 72MHz 64KB (64K x 8) FLASH 48-LQFP (7x7)", Package="LQFP-48 STMicroelectronics", Check_prices=https://www.snapeda.com/parts/STM32F103C8T6/STMicroelectronics/view-part/?ref=eda, ComponentLink1Description="Buy from Makers", ComponentLink1URL=https://makerselectronics.com/product/stm32f103c8t6-64kb-2v3-6v-cm3-20kb-72mhz-flash-37-lqfp-487x7-microcontroller-smd, MF=STMicroelectronics, MP=STM32F103C8T6, SnapEDA_Link=https://www.snapeda.com/parts/STM32F103C8T6/STMicroelectronics/view-part/?ref=snap

## Via types
v1: diameter 50, hole 28, Top Layer to Bottom Layer, 130 vias
v2: diameter 20, hole 10, Top Layer to Bottom Layer, 23 vias
v3: diameter 30, hole 20, Top Layer to Bottom Layer, 12 vias

## Nets (pads, with @x,y where several pads share a name; then routed paths per layer and width w, separated by ;. In a path a pad name is that pad's centre, name@x,y a point inside that pad or via, vN(x,y) a via of type N, cw(c..) or ccw(c..) an arc to the next point about the centre after c; other vN are vias at no path point)
12V_1: C1.1 C2.1 C3.2 J1.1 L1.2 R2.2 R31.2 | length 7090.5
  Top Layer w20: v1@2330,7400 v1(2330,7415) 2330,7482 ; C1.1@6660,6785 6818,6627 C3.2@7040,6627 ; 7380.01,6300.01 7510,6430 7510,6872.15 R31.2@7777.85,7140
  Top Layer w196.85: C2.1@6660,6149.72 7191.57,6149.72 J1.1@7326.85,6285
  Bottom Layer w20: v1(2330,7415) 2405,7340 2745,7340 2945,7540 6039.42,7540 6660,6919.42 C1.1@6660,6785
12V_2: C4.1 C5.1 C6.2 J2.1 L2.2 R3.2 R34.2 | length 9449.5
  Top Layer w20: v1@2120,7400 v1(2120,7415) 2120,7482 ; J2.1@7326.85,4320 7505,4498.15 7505,4882.2 R34.2@7767.8,5145
  Top Layer w196.85: 6474.83,4049.83 6475,4050 ; C5.1@6660,4174.72 6700.28,4215 7015,4215 7221.85,4215 J2.1@7326.85,4320
  Bottom Layer w20: v1(2120,7415) 2235,7300 2770,7300 2970,7500 6040,7500 6200,7340 6200,4634.72 C5.1@6660,4174.72
12V_3: C7.1 C8.1 C9.2 J3.1 L3.2 R4.2 R37.2 | length 11921.8
  Top Layer w20: v1@1910,7400 v1(1910,7415) 1910,7482 ; 7035,2265 C9.2@7035,2407 ; 7125,2265 7196.85,2265 ; J3.1@7326.85,2395 7345,2395 7530,2580 7530,3062.15 R37.2@7762.85,3295
  Top Layer w196.85: C8.1@6660,2214.72 6694.72,2180 7035,2180 7125,2180 7196.25,2251.25 J3.1@7326.85,2381.85
  Bottom Layer w20: v1(1910,7415) 2070,7255 2810,7255 3020,7465 6005,7465 6157.13,7312.87 6157.13,2717.6 C8.1@6660,2214.72
12V_4: C10.1 C11.1 C12.2 J4.1 L4.2 R5.2 R40.2 | length 17411
  Top Layer w20: v1@1730,7400 v1(1730,7415) R5.2@1730,7497 ; C12.2@7045,377 7218.06,377 J4.1@7326.46,485.39 ; J4.1@7333.43,491.57 7510,668.15 7510,1032.15 R40.2@7767.85,1290
  Top Layer w196.85: 5885,650 6235,650 6480,405 6480,390 C10.1@6660,210 7051.85,210 7218.46,376.61 J4.1@7326.85,485
  Power w196.85: L4.2@5525,175 6210,860 ; C10.1@6660,210 6210,660 6210,860 ; C11.1@6660,860 6210,860
  Bottom Layer w20: v1(1730,7415) 1940,7205 2820,7205 3045,7430 5978.83,7430 6120,7288.83 6120,620 6530,210 C10.1@6660,210
+3.3: C37.2 C38.2 C43.2 C44.2 C49.2 C50.2 C55.2 C56.2 C81.2 Q12.2 U13.1 U14.1 U15.1 U16.1 | length 1736.7
  Top Layer w20: C56.2@6646.85,1775 6684.85,1813 6730,1813 C55.2@6734.75,1817.75 ; C50.2@6646.85,3775 6648.35,3776.5 6753.5,3776.5 C49.2@6755,3778 6847.27,3778 6874.27,3805 U15.1@6935.16,3805 6935.41,3805.25 7014.25,3805.25 v1(7014.5,3805.5) ; C44.2@6646.85,5665 6784.78,5665 6796.5,5676.72 6796.5,5680 6799.5,5683 C43.2@6805,5683 ; C38.2@6646.85,7600 6649.35,7597.5 6747.5,7597.5 v1(6750,7595) 6751,7594 6814,7594 C37.2@6815,7593 ; C55.2@6745,1813 6750.5,1813 6753.5,1816 6753.5,1821.5 6792,1860 v1(7010,1860) ; v1(6784.06,5743.4) 6784.06,5735.28 6796.5,5722.85 6796.5,5686 6797.5,5685 C43.2@6800,5685 ; C43.2@6812.5,5685 6847.5,5720 U14.1@6935.31,5720 6935.56,5720.25 7009.25,5720.25 v1(7009.5,5720.5) ; C37.2@6829.36,7590 U13.1@6935.16,7590 6935.41,7590.25 7014.25,7590.25 v1(7014.5,7590.5)
  Top Layer w40: Q12.2@215,4655 358.8,4655 C81.2@371,4642.8
+3.3_C: C39.2 C40.2 C45.2 C46.2 C51.2 C52.2 C57.2 C58.2 C64.2 C69.2 C70.2 C71.2 C72.2 C74.2 C75.2 J.01 L6.1 Q10.2 R44.2 SW?.3 SW?.4 U13.8 U14.8 U15.8 U16.8 U18.1 U18.24 U18.36 U18.48 | length 1833.1
  Top Layer w10: v2(1385,610) 1385,607.29 1393.97,598.32 1393.97,561.41 C70.2@1394.19,561.19 ; C70.2@1398,565 U18.1@1475,565 ; v2(1487.71,730) 1497.71,720 C69.2@1540,720 ; U18.48@1531.3,621.3 1531.3,712 C69.2@1539.3,720 ; U18.24@1747.83,292.17 1747.83,230.83 C72.2@1740,223 1779.29,223 v2(1787.29,215) ; U18.36@1804.13,565 1885,565 1885,570 1888.5,573.5 1910.79,573.5 1922.29,585 v2(1925,585) ; v1(7255,5720) U14.8@7355,5720
  Top Layer w20: L6.1@134.48,1507.5 L6.1@136.98,1505 136.98,1563.87 155,1581.88 v1(155,1590) 155,1650 C75.2@135,1670 ; C74.2@137.2,1800 157.2,1820 157.2,1877.2 v1(160,1880) ; v1(540,1960) R44.2@540,2035 ; v1@7260,1855 7263.19,1858.19 7353.03,1858.19 U16.8@7354.84,1860 ; v1(7260,3805) 7429.5,3805 7479.5,3755 C51.2@7485,3755 ; U13.8@7354.84,7590 7355.34,7590.5 7479.5,7590.5 C39.2@7480,7591 v1(7480,7645) ; C45.2@7480,5730 v1(7480,5790) ; C57.2@7490,1766 7534,1766 C58.2@7570,1730
  Top Layer w40: Q10.2@210,2634.61 346.39,2634.61 C64.2@366,2615
  other v1: 7265,1855
+5: C78.2 C80.2 Q11.3 Q12.3 | length 1146.1
  Top Layer w40: C80.2@354,4825 284.61,4825 Q12.3@215,4755.39 83.43,4755.39 60,4778.83 60,5261.96 83.43,5285.39 Q11.3@215,5285.39 223.67,5285.39 288.28,5350 C78.2@354,5350
+5_C: C61.2 C63.2 Q9.3 Q10.3 | length 1034.1
  Top Layer w40: C61.2@334,3300 296.48,3262.48 216.7,3262.48 Q9.3@210,3255.79 78.43,3255.79 55,3232.36 55,2880 134.15,2800.85 137.96,2800.85 203.81,2735 Q10.3@210,2735 216.7,2741.7 305.7,2741.7 C63.2@349,2785
+12_ISO: C62.2 J6.1 Q9.1 | length 179.9
  Top Layer w40: Q9.1@210,3055 308.2,3055 C62.2@366,2997.2
+15: C13.2 C14.2 C15.2 C19.2 C20.2 C21.2 C25.2 C26.2 C27.2 C31.2 C32.2 C33.2 C65.1 C66.1 C79.2 L5.2 Q11.1 R7.2 R13.2 R19.2 R25.2 R42.2 U1.8 U2.1 U3.2 U4.8 U5.1 U6.2 U7.8 U8.1 U9.2 U10.8 U11.1 U12.2 | length 3442.1
  Top Layer w20: R42.2@1275,7549.41 1275,7541.31 1416.31,7400 1640,7400 1960,7080 v1(1960,6870) ; v1(1320,1625) U10.8@1407.36,1625 ; v1(1350,3755) U4.8@1437.36,3755 ; v1(1350,4875) U1.8@1427.36,4875 ; v1(1455,1790) C31.2@1515,1730 ; v1(1455,2830) 1460,2830 C25.2@1525,2765 ; v1(1480,3910) 1480,3907.8 C21.2@1545,3842.8 ; v1(1485,5035) 1485,5030 C14.2@1550,4965 ; v1(1620,1660) C32.2@1620,1730 ; v1(1625,2695) C26.2@1625,2765 ; R19.2@1637.8,2480 v1(1720,2480) ; R25.2@1640,1425 1645,1420 v1(1725,1420) ; v1(1645,4895) C15.2@1645,4965 ; v1(1650,3775) C20.2@1650,3842.8 ; R13.2@1660,3545 1665,3540 v1(1735,3540) ; R7.2@1660,4690 v1(1740,4690) ; C33.2@1730,1730 1785,1785 v1(1790,1785) ; C27.2@1735,2765 1779.26,2809.26 1779.26,2824.26 v1(1785,2830) ; C13.2@1735,4965 v1(1800,5030) ; C19.2@1755,3842.8 1814.26,3902.06 1814.26,3914.26 v1(1820,3920)
  Top Layer w40: Q11.1@215,5084.61 257.4,5042.2 C79.2@371,5042.2 372.1,5041.1 v1@873.9,5041.1 ; v1(1335,2680) U7.8@1412.36,2680
  other v1: 875,5040
+48: C67.1 C68.1 J5.1 Q1.2 Q3.2 Q5.2 Q7.2 R1.2 U17.1 | length 213.5
  Top Layer w20: v1@2545,7400 2545,7482
  Top Layer w40: v1(1315,7030) 1315.98,7030.98 U17.1@1445.32,7030.98
  Top Layer w50: J5.1@554.21,6110 J5.1@555,6110
  other v1: 2545,7415